# KiCad board main_boardv1.kicad_pcb
title: Imagiano Main Board; rev: A
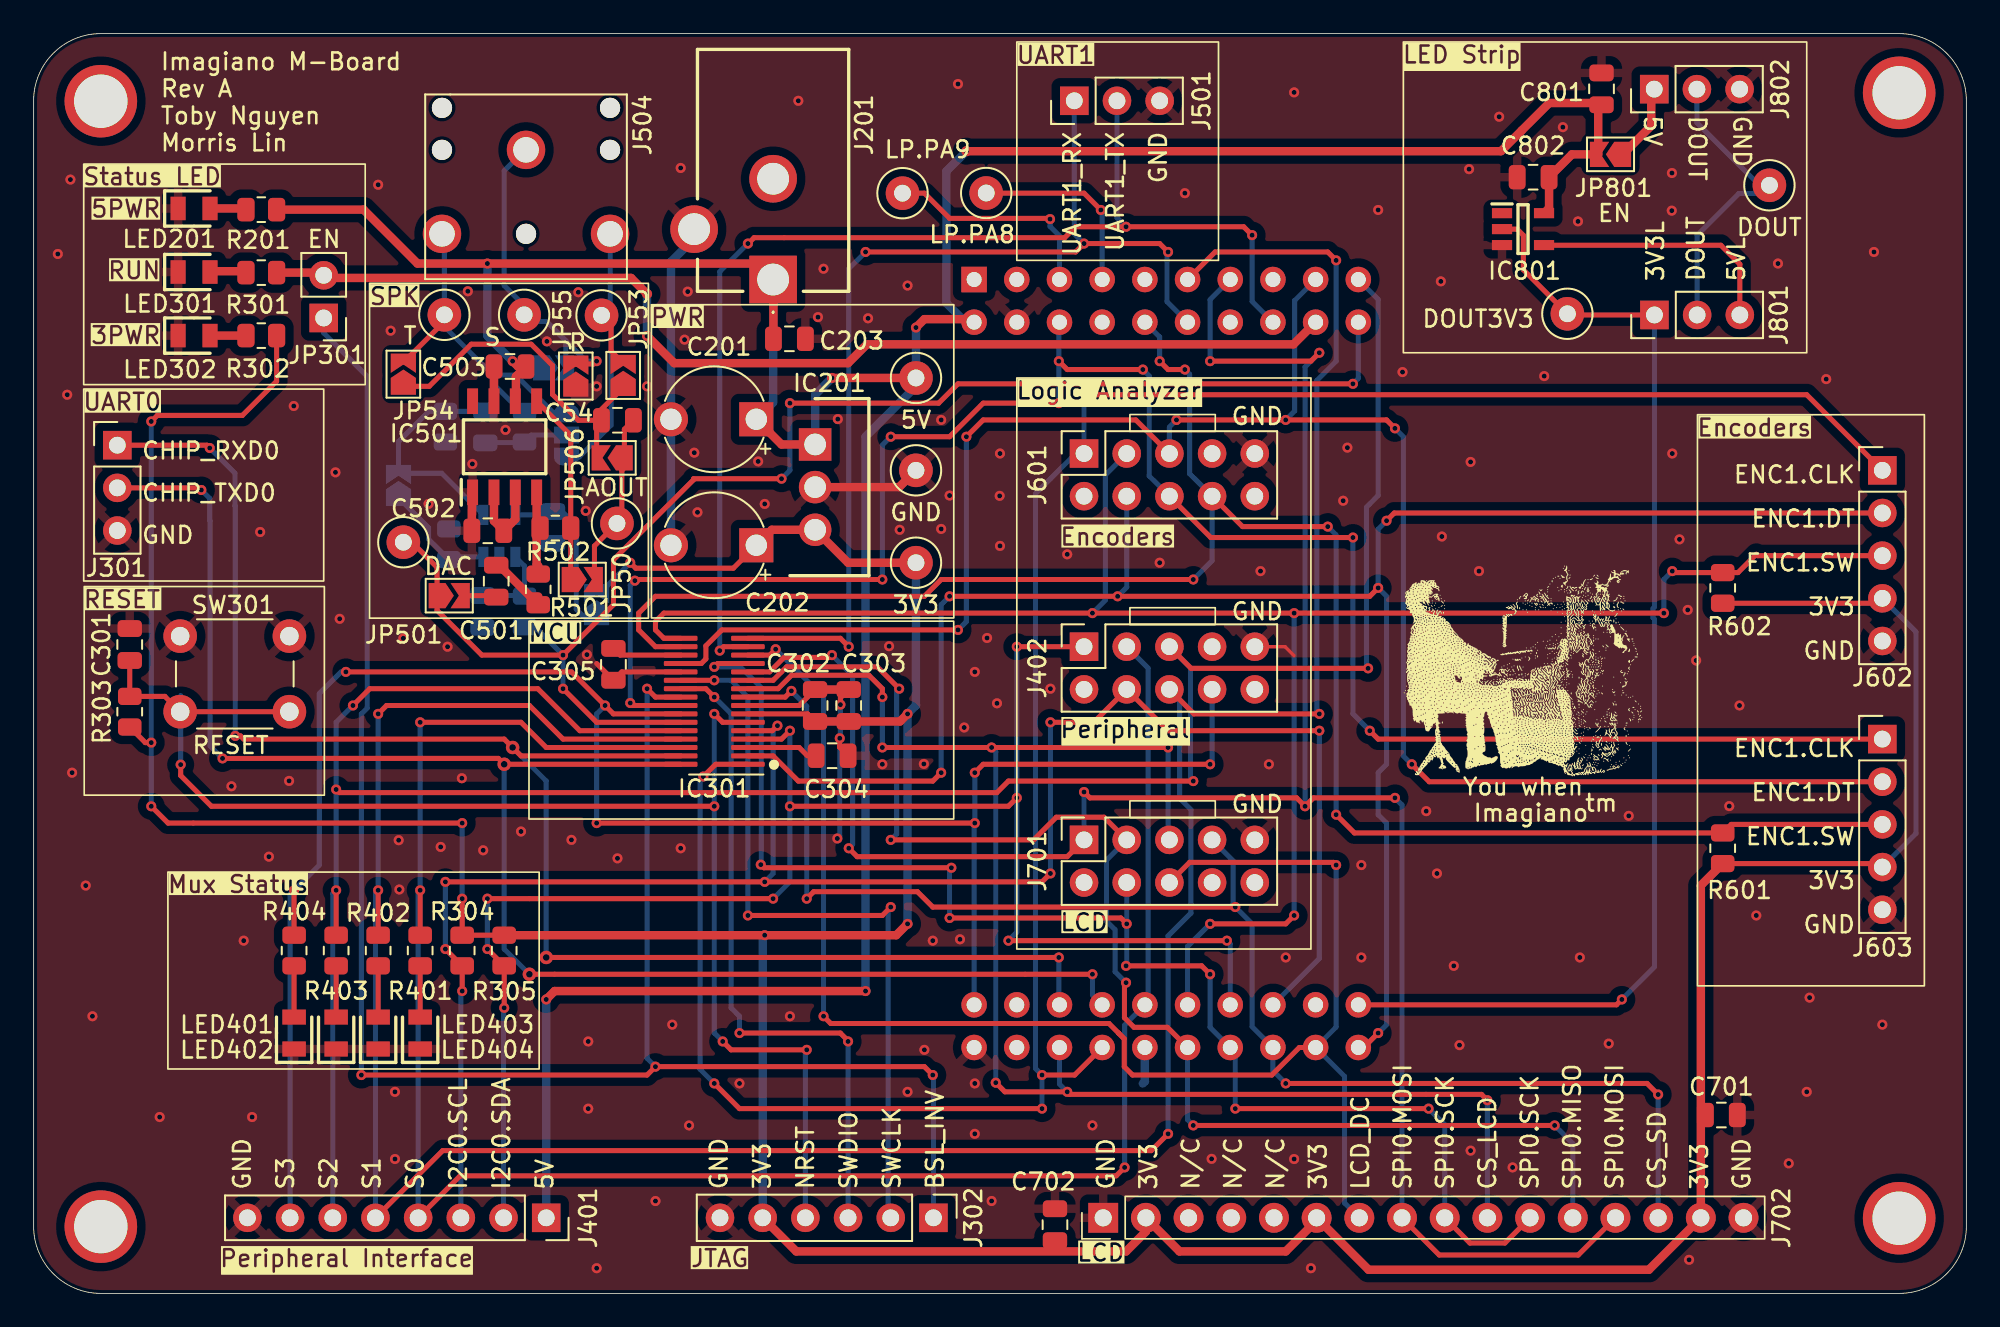
[diagram p0: board, top side]
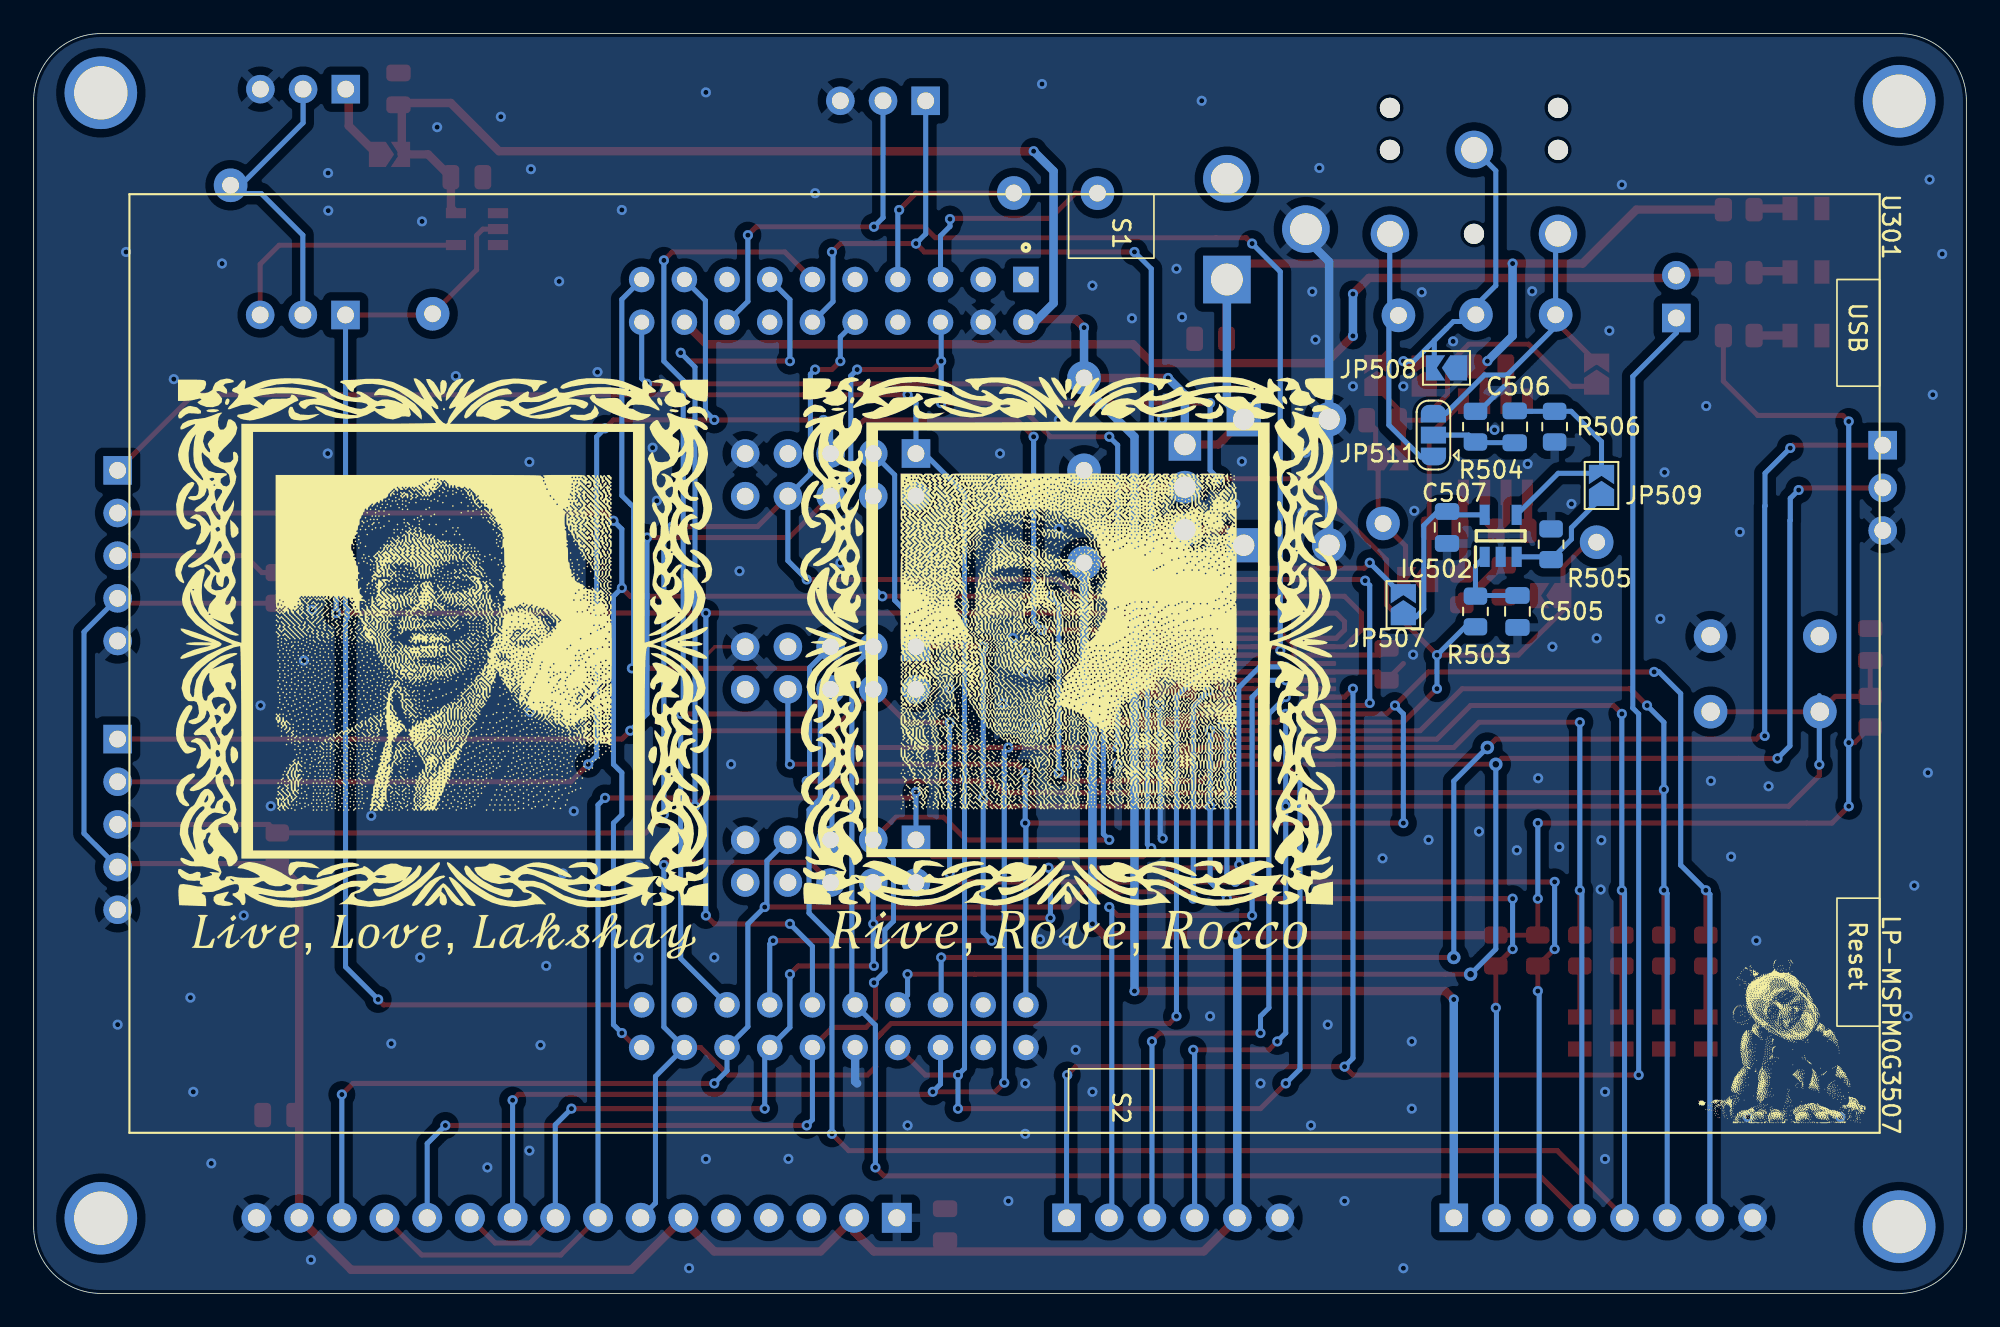
[diagram p1: board, bottom side, seen from below]

Outline 115 x 75 mm; copper layers: Top, Bottom. Coordinates in mm from the lower left corner of the outline.
Outline path: 0,71 arc(1.17,73.83) 4,75 111,75 arc(113.83,73.83) 115,71 115,4 arc(113.83,1.17) 111,0 4,0 arc(1.17,1.17) 0,4 0,71

## Placement (name value [footprint] x y rotation side)
C54  3u3  [C_0805_2012Metric]  34.74 51.98 0 top
C201  4u7  [CP_Radial_Tantal200mil]  43 52.04 180 top
C202  4u7  [CP_Radial_Tantal200mil]  43 44.54 180 top
C203  10u  [C_0805_2012Metric]  44.97 56.83 0 top
C301  10n  [C_0805_2012Metric]  5.72 38.63 90 top
C302  10u  [C_0805_2012Metric]  46.5 35 90 top
C303  0u1  [C_0805_2012Metric]  48.5 35 90 top
C304  u47  [C_0805_2012Metric]  47.51 32.01 0 top
C305  1u  [C_0805_2012Metric]  34.5 37.45 90 top
C501  0u33  [C_0805_2012Metric]  27.53 42.4 90 top
C502  1u  [C_0805_2012Metric]  27.03 45.4 180 top
C503  1u  [C_0805_2012Metric]  28.34 55.18 0 top
C505  10n  [C_0805_2012Metric]  26.71 40.6 90 bottom
C506  3u3  [C_0805_2012Metric]  26.87 51.59 90 bottom
C507  1u  [C_0805_2012Metric]  30.9 45.6 270 bottom
C701  1u  [C_0805_2012Metric]  100.42 10.62 0 top
C702  1u  [C_0805_2012Metric]  60.77 4.09 90 top
C801  10u  [C_0805_2012Metric]  93.29 71.71 90 top
C802  0u1  [C_0805_2012Metric]  89.22 66.45 0 top
G***  -  [LOGO]  89.59 37.41 0 top
G***#2  -  [LOGO]  90.5 38.73 180 bottom
G***#3  -  [LOGO]  53.5 21.5 180 bottom
G***#4  -  [LOGO]  90.8 21.23 180 bottom
G***#5  -  [LOGO]  11 15 180 bottom
G***#6  -  [LOGO]  53.32 38.81 180 bottom
G***#7  -  [LOGO]  53.42 38.81 180 bottom
G***#8  -  [LOGO]  90.6 38.73 180 bottom
H101  MountingHole  [standoff_MH]  4 71 0 top
H102  MountingHole  [standoff_MH]  4 4 0 top
H103  MountingHole  [standoff_MH]  111 71.5 0 top
H104  MountingHole  [standoff_MH]  111 4.5 0 top
IC201  LM2937ET-3.3_NOPB  [TO254P470X1028X1955-3P]  46.5 50.54 270 top
IC301  M0G3507QDGS32RQ1  [generic_VSSOP_0.5mm]  40.5 32.5 180 top
IC501  LM4890M_NOPB  [ti_LM4890M_NOPB]  28.03 50.4 90 top
IC502  LM321LVIDBVR  [SOT95P280X145-5N]  27.71 45.1 90 bottom
IC801  SN74LV1T34DBVR  [SOT95P280X145-5N]  88.62 63.36 0 top
J201  -  [373]  44 60.36 0 top
J301  Conn_01x03_Pin  [PinHeader_1x03_P2.54mm_Vertical]  4.98 50.5 0 top
J302  Conn_01x06_Pin  [PinHeader_1x06_P2.54mm_Vertical]  53.54 4.5 270 top
J401  1x8 Male Pins  [PinSocket_1x08_P2.54mm_Vertical]  30.5 4.5 270 top
J402  2x5 Socket Pins  [logic_analyzer_slot_2x5_2.54mm]  62.5 38.5 90 top
J501  Conn_01x03_Pin  [PinHeader_1x03_P2.54mm_Vertical]  61.92 71 90 top
J504  trs_audio_jack  [Jack_3.5mm_CUI_SJ1-3523N_Horizontal]  29.3 68.08 180 top
J601  2x5 Socket Pins  [logic_analyzer_slot_2x5_2.54mm]  62.5 50 90 top
J602  Conn_01x05_Pin  [PinHeader_1x05_P2.54mm_Vertical]  110 49 0 top
J603  Conn_01x05_Pin  [PinHeader_1x05_P2.54mm_Vertical]  110 33 0 top
J701  2x5 Socket Pins  [logic_analyzer_slot_2x5_2.54mm]  62.5 27 90 top
J702  HiLetGo_ST7735R  [hiletgo_st7735r]  82.5 4.4 0 top
J801  Conn_01x03_Pin  [PinHeader_1x03_P2.54mm_Vertical]  96.44 58.25 90 top
J802  Conn_01x03_Pin  [PinHeader_1x03_P2.54mm_Vertical]  96.43 71.69 90 top
JP50  Jumper_2_Small_Bridged  [SolderJumper-2_P1.3mm_Open_TrianglePad1.0x1.5mm]  32.64 42.5 0 top
JP53  Jumper_2_Small_Bridged  [SolderJumper-2_P1.3mm_Open_TrianglePad1.0x1.5mm]  35.08 54.65 90 top
JP54  Jumper_2_Small_Bridged  [SolderJumper-2_P1.3mm_Open_TrianglePad1.0x1.5mm]  22 54.72 90 top
JP55  Jumper_2_Small_Bridged  [SolderJumper-2_P1.3mm_Open_TrianglePad1.0x1.5mm]  32.26 54.61 90 top
JP301  Jumper_2_Small_Bridged  [PinHeader_1x02_P2.54mm_Vertical]  17.26 58.07 180 top
JP501  Jumper_2_Small_Bridged  [SolderJumper-2_P1.3mm_Open_TrianglePad1.0x1.5mm]  24.73 41.54 0 top
JP506  Jumper_2_Small_Bridged  [SolderJumper-2_P1.3mm_Open_TrianglePad1.0x1.5mm]  34.43 49.74 180 top
JP507  Jumper_2_Small_Bridged  [SolderJumper-2_P1.3mm_Open_TrianglePad1.0x1.5mm]  33.5 41 90 bottom
JP508  Jumper_2_Small_Bridged  [SolderJumper-2_P1.3mm_Open_TrianglePad1.0x1.5mm]  30.94 55.1 0 bottom
JP509  Jumper_2_Small_Bridged  [SolderJumper-2_P1.3mm_Open_TrianglePad1.0x1.5mm]  21.71 48.1 90 bottom
JP511  Jumper_3_Open  [SolderJumper-3_P1.3mm_Open_RoundedPad1.0x1.5mm]  31.71 51.1 90 bottom
JP801  Jumper_2_Small_Bridged  [SolderJumper-2_P1.3mm_Open_TrianglePad1.0x1.5mm]  93.82 67.81 180 top
LED201  5V_PWR  [LEDC2012X40N]  9.55 64.59 0 top
LED301  RUN_LED  [LEDC2012X40N]  9.55 60.81 0 top
LED302  3V3_PWR  [LEDC2012X40N]  9.55 57.02 0 top
LED401  S0  [LEDC2012X40N]  23 15.5 90 top
LED402  S1  [LEDC2012X40N]  20.5 15.5 90 top
LED403  S2  [LEDC2012X40N]  18 15.5 90 top
LED404  S3  [LEDC2012X40N]  15.5 15.5 90 top
R201  1k5  [R_0805_2012Metric]  13.55 64.52 180 top
R301  470  [R_0805_2012Metric]  13.55 60.77 180 top
R302  470  [R_0805_2012Metric]  13.55 57.02 180 top
R303  47k  [R_0805_2012Metric]  5.72 34.63 90 top
R304  10k  [R_0805_2012Metric]  25.5 20.41 90 top
R305  10k  [R_0805_2012Metric]  28 20.41 90 top
R401  470  [R_0805_2012Metric]  23 20.41 270 top
R402  470  [R_0805_2012Metric]  20.5 20.41 270 top
R403  470  [R_0805_2012Metric]  18 20.41 270 top
R404  470  [R_0805_2012Metric]  15.5 20.41 270 top
R501  20k  [R_0805_2012Metric]  30.03 41.91 90 top
R502  20k  [R_0805_2012Metric]  31.05 45.56 0 top
R503  787  [R_0805_2012Metric]  29.21 40.6 90 bottom
R504  47k  [R_0805_2012Metric]  29.21 51.6 270 bottom
R505  10k  [R_0805_2012Metric]  24.71 44.6 270 bottom
R506  20k  [R_0805_2012Metric]  24.5 51.6 270 bottom
R601  10k  [R_0805_2012Metric]  100.5 26.5 270 top
R602  10k  [R_0805_2012Metric]  100.5 42 270 top
SW301  RESET  [SW_PUSH_6mm]  8.72 39.13 0 top
TP201  5V  [bettertestpoint2]  52.5 54.5 0 top
TP202  GND  [bettertestpoint2]  52.5 49 0 top
TP203  3V3  [bettertestpoint2]  52.5 43.5 0 top
TP301  LP.PA9  [bettertestpoint2]  51.7 65.5 0 top
TP303  LP.PA8  [bettertestpoint2]  56.68 65.51 0 top
TP501  DAC  [bettertestpoint2]  22 44.72 180 top
TP502  AOUT  [bettertestpoint2]  34.71 45.84 180 top
TP503  S  [bettertestpoint2]  29.19 58.26 0 top
TP504  R  [bettertestpoint2]  33.79 58.23 0 top
TP505  T  [bettertestpoint2]  24.44 58.26 0 top
TP801  DOUT  [bettertestpoint2]  103.28 65.97 180 top
TP803  DOUT3V3  [bettertestpoint2]  91.26 58.32 0 top
U301  LP-MSPM0G3507  [ti_LP_MSPM0G3507]  58.5 37.5 270 bottom

## Library data of the parts
C54 C506 = -: Description: Unpolarized capacitor; Mouser Stock/Price: https://www.mouser.com/ProductDetail/TDK/C2012X7R1V335K125AC?qs=U4gclJHtfSj5XsYUBUaOrg%3D%3D; Mouser Price/Stock: https://www.mouser.com/ProductDetail/TDK/C2012X7R1V335K125AC?qs=U4gclJHtfSj5XsYUBUaOrg%3D%3D; ki_fp_filters: C_*
C201 = -: Description: Unpolarized capacitor; ki_fp_filters: CP_*
C202 = -: Description: Polarized capacitor, US symbol; ki_fp_filters: CP_*
C203 C302 C505 C801 = -: Description: Unpolarized capacitor; Mouser Price/Stock: https://www.mouser.com/ProductDetail/Samsung-Electro-Mechanics/CL21A106KPFNNNE?qs=sGAEpiMZZMt7gvpyg0xT8jBAVP%252BdkPhuUJvUBe19zr8%3D; ki_fp_filters: C_*
C301 = -: Description: Unpolarized capacitor; Mouser Price/Stock: https://www.mouser.com/ProductDetail/KEMET/C0805C103K1RAC7411?qs=jbRM9o5BbzN%252BKAvowF%2FE%2Fw%3D%3D; ki_fp_filters: C_*
C303 C802 = -: Description: Unpolarized capacitor; Mouser Price/Stock: https://www.mouser.com/ProductDetail/Walsin/MG21B104K500CT?qs=sGAEpiMZZMt7gvpyg0xT8jBHDtGZvLzXjlSfFWC8Jgc2tQbZi0zprA%3D%3D; ki_fp_filters: C_*
C304 = -: Description: Unpolarized capacitor; Mouser Price/Stock: https://www.mouser.com/ProductDetail/Samsung-Electro-Mechanics/CL10B474KO8NFNC?qs=sGAEpiMZZMt7gvpyg0xT8q%2F7CsY61%2FyFTHCmY5wjL0L9D1tlR%2FUXtQ%3D%3D; ki_fp_filters: C_*
C305 C502 C503 C507 C701 C702 = -: Description: Unpolarized capacitor; Mouser Price/Stock: https://www.mouser.com/ProductDetail/Samsung-Electro-Mechanics/CL21B105KPFNNNE?qs=349EhDEZ59rb3V94UrmRdQ%3D%3D; ki_fp_filters: C_*
C501 = -: Description: Unpolarized capacitor; Mouser Price/Stock: https://www.mouser.com/ProductDetail/Murata-Electronics/GRM033R60J334ME90D?qs=sGAEpiMZZMt7gvpyg0xT8uCCXHbS75E5ohl%252B6aFMib58IUjO%2FZu9jw%3D%3D; ki_fp_filters: C_*
H101-H104 = -: Description: Mounting Hole with connection; ki_fp_filters: MountingHole*Pad*
IC201 = -: Datasheet: http://www.ti.com/general/docs/suppproductinfo.tsp?distId=10&gotoUrl=http%3A%2F%2Fwww.ti.com%2Flit%2Fgpn%2Flm2937; Description: 400mA and 500mA Voltage Regulator; Height: 4.7; Mouser Part Number: 926-LM2937ET-3.3NOPB; Mouser Price/Stock: https://www.mouser.com/ProductDetail/Texas-Instruments/LM2937ET-3.3-NOPB?qs=X1J7HmVL2ZEMUke2IfNR4w%3D%3D; Manufacturer_Name: Texas Instruments; Manufacturer_Part_Number: LM2937ET-3.3/NOPB
IC301 = -: Datasheet: https://www.ti.com/lit/ds/symlink/mspm0g3507-q1.pdf?ts=1726224116300&ref_url=https%253A%252F%252Fwww.ti.com%252Fproduct%252FMSPM0G3507-Q1
IC501 = -: Datasheet: http://www.ti.com/lit/ds/symlink/lm4890.pdf; Description: Audio power amplifier,LM4890M SOIC8; Height: 1.75; Mouser Part Number: 926-LM4890M/NOPB; Mouser Price/Stock: https://www.mouser.com/ProductDetail/Texas-Instruments/LM4890M-NOPB?qs=QbsRYf82W3H2uo8qVqZ%252BRw%3D%3D; Manufacturer_Name: Texas Instruments; Manufacturer_Part_Number: LM4890M/NOPB
IC502 = -: Datasheet: http://www.ti.com/lit/gpn/lm321lv; Description: 1-Channel Industry Standard Low Voltage Operational Amplifier; Height: 1.45; Mouser Part Number: 595-LM321LVIDBVR; Mouser Price/Stock: https://www.mouser.co.uk/ProductDetail/Texas-Instruments/LM321LVIDBVR?qs=qSfuJ%252Bfl%2Fd66sZ569ResAQ%3D%3D; Manufacturer_Name: Texas Instruments; ki_fp_filters: SOT?23*
IC801 = -: Datasheet: http://www.ti.com/lit/gpn/sn74lv1t34; Description: Single Power Supply BUFFER Logic Level Shifter (no enable); Height: 1.45; Mouser Part Number: 595-SN74LV1T34DBVR; Mouser Price/Stock: https://www.mouser.com/ProductDetail/Texas-Instruments/SN74LV1T34DBVR?qs=8sOby8ZxZLE4ekkxA3S6Wg%3D%3D; Manufacturer_Name: Texas Instruments
J201 = -: Description: DC Barrel Jack; Height: 11.2; Mouser Part Number: 485-373; Mouser Price/Stock: https://www.mouser.com/ProductDetail/Adafruit/373?qs=GURawfaeGuDDC%2FyE6Usrdw%3D%3D; Manufacturer_Name: Adafruit; ki_fp_filters: BarrelJack*
J301 J501 = -: Description: Generic connector, single row, 01x03, script generated; ki_fp_filters: Connector*:*_1x??_*
J302 = -: Description: Generic connector, single row, 01x06, script generated; ki_fp_filters: Connector*:*_1x??_*
J401 = -: Description: Generic connector, single row, 01x08, script generated (kicad-library-utils/schlib/autogen/connector/); ki_fp_filters: Connector*:*_1x??_*
J402 J601 J701 = -: Description: Generic connector, double row, 02x05, odd/even pin numbering scheme (row 1 odd numbers, row 2 even numbers), script generated (kicad-library-utils/schlib/autogen/connector/); ki_fp_filters: Connector*:*_2x??_*
J504 = -: Description: Audio Jack, 3 Poles (Stereo / TRS); ki_fp_filters: Jack*
J602 J603 = -: Description: Generic connector, single row, 01x05, script generated; ki_fp_filters: Connector*:*_1x??_*
J702 = -: Datasheet: https://users.ece.utexas.edu/~valvano/mspm0/1-8-tft-display.pdf; Description: http://hiletgo.com/ProductDetail/2157911.html; Distributor: Amazon; Manufacturer: HiLetGo; P/N: https://www.amazon.com/s?k=hiletgo+ST7735R; Cost: 9.95
J801 J802 = -: Datasheet: https://www.adafruit.com/product/2541; Description: Generic connector, single row, 01x03, script generated; ki_fp_filters: Connector*:*_1x??_*
JP50 JP53-JP55 JP301 JP501 JP506-JP509 JP801 = -: Description: Jumper, 2-pole, small symbol, bridged; ki_fp_filters: Jumper* TestPoint*2Pads* TestPoint*Bridge*
JP511 = -: Description: Jumper, 3-pole, both open; ki_fp_filters: Jumper* TestPoint*3Pads* TestPoint*Bridge*
LED201 = -: Description: Standard LEDs - SMD Super Red, 633nm 180mcd, 20mA; Height: 0.4; Mouser Part Number: 720-LSR976-NR-1; Mouser Price/Stock: https://www.mouser.com/ProductDetail/LITEON/LTST-C170EKT?qs=sGAEpiMZZMv0DJfhVcWlKzTPaP0s1oGosckfGozvZMw%3D; Manufacturer_Name: ams OSRAM; Manufacturer_Part_Number: LS R976-NR-1; ki_fp_filters: LED* LED_SMD:* LED_THT:*
LED301 = -: Description: Standard LEDs - SMD Super Red, 633nm 180mcd, 20mA; Height: 0.4; Mouser Part Number: 720-LSR976-NR-1; Mouser Price/Stock: https://www.mouser.com/ProductDetail/LITEON/LTST-C171TBKT?qs=sGAEpiMZZMv0DJfhVcWlK%252BdbpgZMtcHOavAEZj1Si14%3D; Manufacturer_Name: ams OSRAM; Manufacturer_Part_Number: LS R976-NR-1; ki_fp_filters: LED* LED_SMD:* LED_THT:*
LED302 LED401-LED404 = -: Description: Standard LEDs - SMD Super Red, 633nm 180mcd, 20mA; Height: 0.4; Mouser Part Number: 720-LSR976-NR-1; Mouser Price/Stock: https://www.mouser.com/ProductDetail/LITEON/LTST-C170GKT?qs=sGAEpiMZZMv0DJfhVcWlK%252BdbpgZMtcHOLj2jKamJQec%3D; Manufacturer_Name: ams OSRAM; Manufacturer_Part_Number: LS R976-NR-1; ki_fp_filters: LED* LED_SMD:* LED_THT:*
R201 = -: Description: Resistor, US symbol; Mouser Price/Stock: https://www.mouser.com/ProductDetail/ROHM-Semiconductor/ESR03EZPJ152?qs=DyUWGjl%252BcVvm2NOHIcQYzQ%3D%3D; ki_fp_filters: R_*
R301 R302 R401-R404 = -: Description: Resistor, US symbol; Mouser Price/Stock: https://www.mouser.com/ProductDetail/YAGEO/AF0805JR-07470RL?qs=tggtontpCXOaQg0VhtuXeg%3D%3D; ki_fp_filters: R_*
R303 R504 = -: Description: Resistor; Mouser Price/Stock: https://www.mouser.com/ProductDetail/YAGEO/RC0805JR-7W47KL?qs=tggtontpCXNoMeTIW8%252BKHA%3D%3D; ki_fp_filters: R_*
R304 R305 R505 R601 R602 = -: Description: Resistor; Mouser Price/Stock: https://www.mouser.com/ProductDetail/YAGEO/RV0805JR-0710KL?qs=qpJ%252B%252B%252Bdg6p3bGiIDT3p%252B0w%3D%3D; ki_fp_filters: R_*
R501 R502 R506 = -: Description: Resistor; Mouser Price/Stock: https://www.mouser.com/ProductDetail/YAGEO/RC0805FR-1020KL?qs=sGAEpiMZZMvdGkrng054t7z4BkURc4LzyQBLWrMO%252BznK%2FJbWTd%2FqOQ%3D%3D; ki_fp_filters: R_*
R503 = -: Description: Resistor; Mouser Price/Stock: https://www.mouser.com/ProductDetail/Vishay/CRCW0805787RFKEA?qs=Lu3mkJd%252BoBHFo%2FQlWc6ASQ%3D%3D; ki_fp_filters: R_*
SW301 = -: Description: Push button switch, generic, two pins
TP201-TP203 TP301 TP303 TP501-TP505 TP801 TP803 = -: Description: test point; ki_fp_filters: Pin* Test*
U301 = -: Datasheet: https://www.ti.com/tool/LP-MSPM0G3507; Description: LaunchPad; Distributor: Mouser; Manufacturer: Texas Instruments; Cost: 22.60
